# Altium PCB STM32_QFP100_DEVELOPMENT_BOARD.PcbDoc (continued)
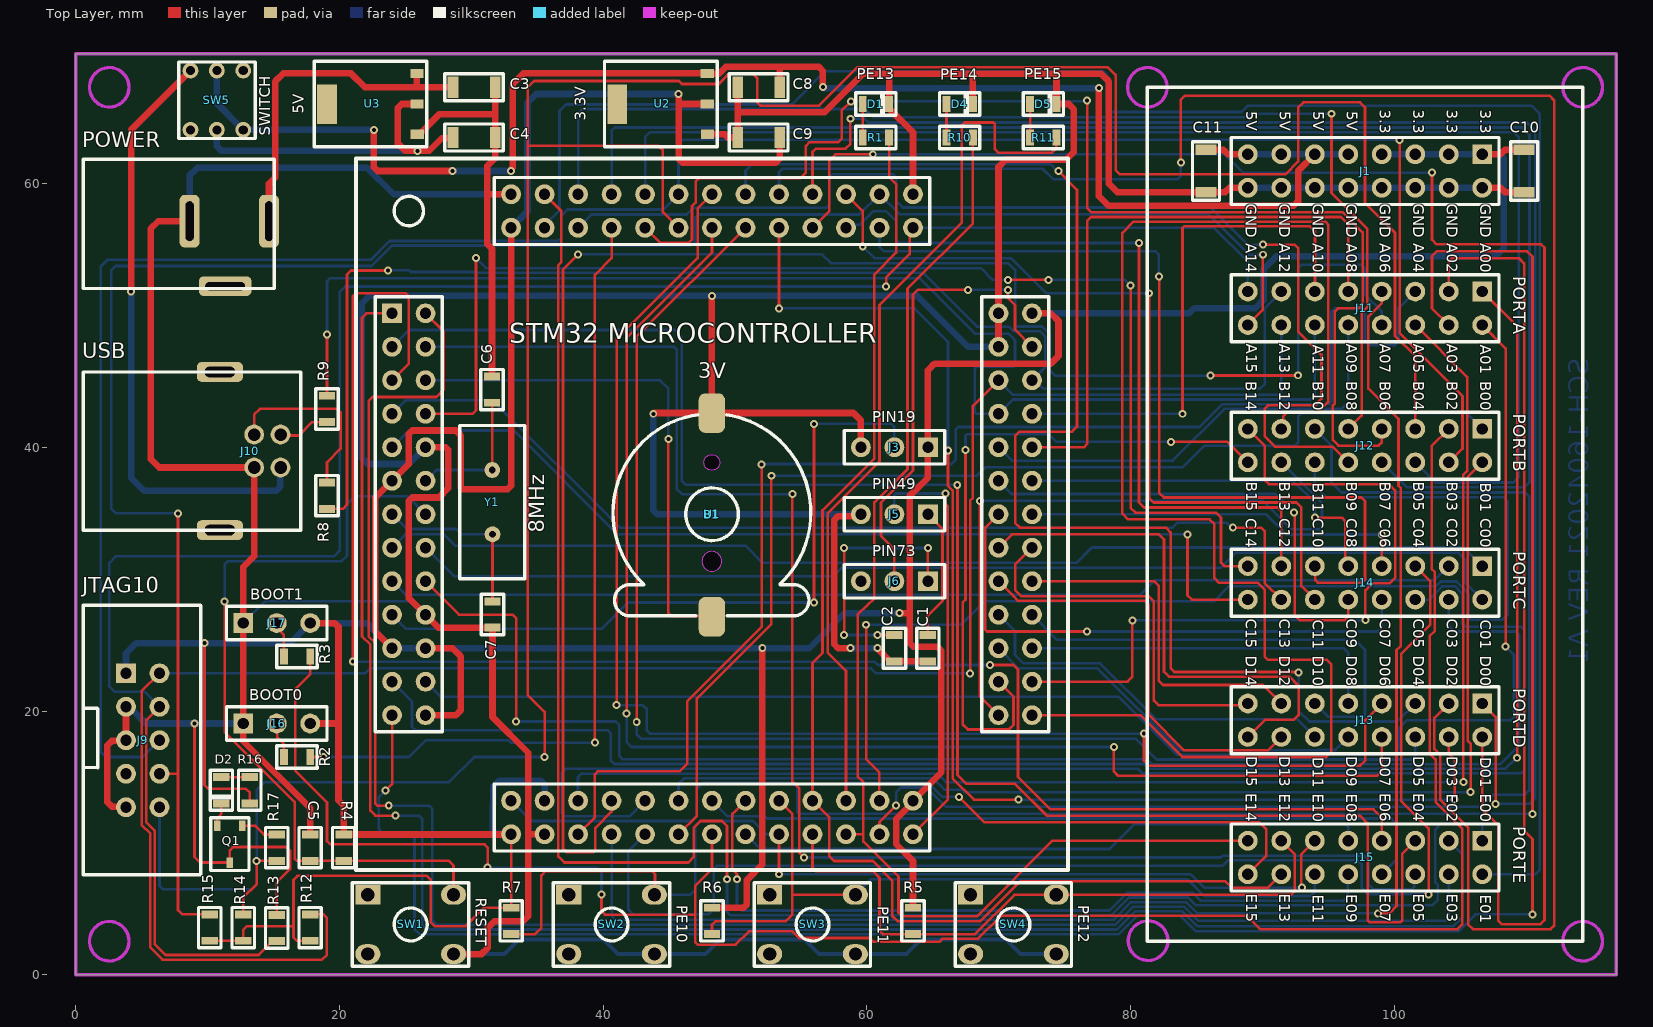
[diagram p0: Top Layer view]
## Nets (pads, with @x,y where several pads share a name; then routed paths per layer and width w, separated by ;. In a path a pad name is that pad's centre, name@x,y a point inside that pad or via, vN(x,y) a via of type N, cw(c..) or ccw(c..) an arc to the next point about the centre after c; other vN are vias at no path point) (continued)
PA4: J11.5 U1.29 | length 103
  Top Layer w0.2: U1.29 39.37,11.925 39.37,15.182 39.624,15.436 45.82,15.436 46.386,16.002 46.386,20.745 52.019,26.378 v1(52.019,38.71)
  Bottom Layer w0.2: v1(52.019,38.71) 52.045,38.735 66.421,38.735 66.758,39.072 66.758,41.358 66.945,41.545 85.233,41.545 86.964,43.276 95.092,43.276 95.25,43.434 95.25,50.292 95.504,50.546 97.536,50.546 97.79,50.292 97.79,48.006 98.044,47.752 100.076,47.752 100.33,48.006 100.33,50.546 J11.5
PA5: J11.6 U1.30 | length 105.8
  Top Layer w0.2: J11.6 105.531,45.345 105.531,38.209 105.238,37.915 105.238,14.637 v1(105.27,14.605)
  Bottom Layer w0.2: U1.30 38.087,13.208 38.087,14.986 38.346,15.245 65.369,15.245 66.009,14.605 v1(105.27,14.605)
PA6: J11.7 U1.31 | length 115.2
  Top Layer w0.2: v1(98.781,4.648) 99.631,4.648 100.178,5.195 100.178,24.613 100.508,24.943 100.508,36.906 100.33,37.084 100.33,42.164 98.044,44.45 98.044,49.94 99.06,50.956 J11.7
  Bottom Layer w0.2: U1.31 40.64,4.445 40.919,4.166 78.702,4.166 80.043,5.507 84.215,5.507 85.074,4.648 v1(98.781,4.648)
PA7: J11.8 U1.32 | length 133.2
  Top Layer w0.2: v1(38.1,54.635) 36.951,53.487 36.951,9.581 37.227,9.306 39.264,9.306 39.402,9.443 39.402,11.132 40.64,12.37 U1.32 ; v1(86.062,45.435) 86.078,45.451 92.694,45.451 v1(92.71,45.466)
  Bottom Layer w0.2: v1(38.1,54.635) 56.617,54.635 57.277,53.975 70.726,53.975 71.247,53.454 71.247,49.282 71.364,49.165 73.266,49.165 73.276,49.165 73.883,48.557 73.883,45.834 74.282,45.435 v1(86.062,45.435) ; v1(92.71,45.466) 92.71,53.594 92.964,53.848 97.536,53.848 97.79,53.594 97.79,51.562 99.06,50.292 J11.8
PA8: J11.9 U1.67 | length 46.5
  Top Layer w0.2: U1.67 76.454,40.005 76.708,40.259 76.708,57.175 77.001,57.468 95.948,57.468 96.52,56.896 J11.9
PA9: J11.10 U1.68 | length 34.6
  Bottom Layer w0.2: U1.68 71.006,38.989 83.185,38.989 87.122,42.926 96.012,42.926 96.52,43.434 J11.10
PA10: J11.11 U1.69 | length 40.3
  Top Layer w0.2: v1(83.947,42.545) 83.947,56.651 84.064,56.768 93.6,56.768 93.997,56.371 93.997,51.833 J11.11
  Bottom Layer w0.2: U1.69 v1(83.947,42.545)
PA11: J11.12 R9.2 U1.70 | length 103
  Top Layer w0.2: R9.2@19.05,43.942 v1(19.05,48.565)
  Bottom Layer w0.2: v1(19.05,48.565) 19.05,52.591 19.291,52.832 63.995,52.832 68.202,48.625 70.742,48.625 71.234,48.133 71.234,46.218 71.117,46.101 68.303,46.101 68.186,45.984 68.186,42.662 68.303,42.545 U1.70 71.071,43.626 93.664,43.626 93.98,43.942 J11.12
PA12: J11.13 R8.2 U1.71 | length 103.6
  Top Layer w0.2: R8.2 20.257,35.338 20.574,35.655 20.574,53.111 20.879,53.416 v1(23.673,53.416)
  Bottom Layer w0.2: v1(23.673,53.416) 23.698,53.442 25.266,53.442 25.406,53.301 30.405,53.301 30.462,53.244 64.256,53.244 68.352,49.149 70.792,49.149 71.126,48.815 73.131,48.815 73.533,48.412 73.533,46.088 U1.71 72.745,45.085 73.38,44.45 89.84,44.45 90.17,44.78 90.17,50.546 J11.13
PB0: J12.1 U1.35 | length 87.6
  Top Layer w0.2: U1.35 47.104,12.039 47.104,20.955 52.756,26.607 v1(52.756,37.846)
  Bottom Layer w0.2: v1(52.756,37.846) 68.351,37.846 68.986,38.481 83.947,38.481 85.598,40.132 92.481,40.132 92.71,40.361 92.71,42.342 92.944,42.576 105.506,42.576 J12.1
PB1: J12.2 U1.36 | length 87.5
  Top Layer w0.2: v1(105.791,13.843) 105.82,13.872 105.82,17.48 105.588,17.712 105.588,37.77 J12.2
  Bottom Layer w0.2: U1.36 45.72,14.491 46.124,14.895 65.019,14.895 65.876,14.037 67.208,14.037 67.402,13.843 v1(105.791,13.843)
PB2: J12.3 R3.2 U1.37 | length 156.9
  Top Layer w0.2: R3.2 17.78,22.784 16.637,21.641 16.637,15.481 19.05,13.068 19.05,10.135 19.304,9.881 31,9.881 31.242,9.639 v1(31.242,8.115) ; v1(39.878,6.083) 39.878,4.813 40.132,4.559 46.99,4.559 ; U1.37 48.26,8.026 46.99,6.756 46.99,4.559 ; J12.3 102.845,40.107 102.845,30.766 103.08,30.531 103.08,26.067 102.692,25.679 102.692,16.782 103.14,16.334 103.14,13.09 105.156,11.074 105.156,3.797 104.813,3.454 89.832,3.454 88.829,4.457 70.167,4.457 68.44,2.73 65.735,2.73 65.494,2.489 60.49,2.489 60.198,2.781 54.864,2.781 54.356,3.289 51.054,3.289 50.038,2.273 47.168,2.273 46.99,2.451 46.99,4.559
  Bottom Layer w0.2: v1(31.242,8.115) 39.586,8.115 39.878,7.823 v1(39.878,6.083)
PB5: J12.6 U1.91 | length 105.3
  Bottom Layer w0.2: U1.91 43.18,63.529 43.558,63.907 109.067,63.907 109.446,63.528 109.446,37.742 109.042,37.338 103.124,37.338 J12.6
PB6: J12.7 U1.92 | length 95.8
  Top Layer w0.2: U1.92 44.336,55.499 46.482,55.499 46.736,55.753 46.736,58.293 47.015,58.572 47.015,60.147 47.295,60.427 54.966,60.427 55.372,60.833 55.372,62.865 55.651,63.144 57.836,63.144 58.09,63.398 58.09,65.532 v1(58.801,66.243) ; v1(76.708,66.294) 76.708,58.141 77.03,57.818 96.106,57.818 97.612,56.312 97.612,50.876 97.282,50.546 95.733,50.546 95.504,50.317 95.504,43.338 95.346,43.18 95.346,40.544 95.758,40.132 98.806,40.132 99.06,40.386 J12.7
  Bottom Layer w0.2: v1(58.801,66.243) 76.657,66.243 v1(76.708,66.294)
PB7: J12.8 U1.93 | length 113.3
  Bottom Layer w0.2: U1.93 40.64,64.021 40.881,64.262 109.703,64.262 110.261,63.703 110.261,37.338 109.897,36.973 100.949,36.973 J12.8
PB8: J12.9 U1.95 | length 89.4
  Top Layer w0.2: v1(95.25,65.303) 95.25,59.296 97.968,56.578 97.968,50.628 97.536,50.196 97.536,42.418 J12.9
  Bottom Layer w0.2: U1.95 38.1,65.329 38.43,65.659 59.842,65.659 60.477,65.024 88.77,65.024 89.049,65.303 v1(95.25,65.303)
PB9: J12.10 U1.96 | length 86.9
  Top Layer w0.2: v1(90.043,55.372) 92.456,55.372 92.71,55.118 92.71,48.793 94.488,47.015 94.488,43.688 93.98,43.18 90.424,43.18 90.17,42.926 90.17,40.843 90.961,40.052 95.33,40.052 J12.10
  Bottom Layer w0.2: U1.96 39.103,57.658 46.33,57.658 46.838,58.166 56.896,58.166 57.15,58.42 57.15,60.465 57.404,60.719 61.976,60.719 62.23,60.465 62.23,58.699 62.738,58.191 86.055,58.191 88.875,55.372 v1(90.043,55.372)
PB10: J12.11 U1.47 | length 95.3
  Top Layer w0.2: U1.47 60.96,11.574 v1(62.221,12.836)
  Bottom Layer w0.2: v1(62.221,12.836) 62.221,13.834 62.582,14.195 64.532,14.195 66.001,12.726 106.579,12.726 107.505,13.652 109.918,13.652 110.236,13.97 110.236,36.271 109.931,36.576 96.012,36.576 95.25,37.338 95.25,40.132 J12.11
PB11: J12.12 U1.48 | length 91.7
  Top Layer w0.2: v1(59.944,26.543) 59.944,16.354 60.931,15.367 60.931,13.224 U1.48
  Bottom Layer w0.2: v1(59.944,26.543) 67.154,26.543 68.932,28.321 86.327,28.321 87.47,29.464 103.188,29.464 103.543,29.82 104.737,29.82 105.664,28.892 105.664,27.041 105.781,26.924 108.204,26.924 108.616,27.336 108.616,35.897 108.287,36.226 94.825,36.226 93.98,37.071 J12.12
PB12: J12.13 U1.51 | length 112.5
  Top Layer w0.2: U1.51 80.759,19.685 83.934,16.51 94.844,16.51 95.237,16.903 95.237,23.533 94.894,23.876 90.411,23.876 90.17,24.117 90.17,29.21 89.662,29.718 86.716,29.718 86.36,30.074 86.36,34.188 86.004,34.544 79.807,34.544 79.375,34.976 79.375,56.274 80.219,57.118 94.774,57.118 94.996,56.896 94.996,43.434 94.234,42.672 91.919,42.672 91.582,42.335 91.582,41.544 J12.13
PB13: J12.14 U1.52 | length 49.9
  Top Layer w0.2: v1(68.58,35.941) 68.58,21.095 U1.52
  Bottom Layer w0.2: v1(68.58,35.941) 90.043,35.941 92.202,33.782 94.336,33.782 94.53,33.976 94.53,35.772 J12.14
PB14: J12.15 U1.53 | length 55.9
  Top Layer w0.2: U1.53 79.781,22.225 80.124,22.568 v1@80.124,26.865 ; J12.15 90.17,40.132 90.17,37.541 90.5,37.211 99.593,37.211 100.076,36.728 100.076,30.099 99.67,29.693 98.349,29.693 97.815,29.159 v1(97.815,26.899)
  Bottom Layer w0.2: v1(80.137,26.865) 80.166,26.895 v1@97.815,26.895
PB15: J12.16 U1.54 | length 52.2
  Top Layer w0.2: v1(67.486,39.8) 67.486,28.443 67.268,28.225 67.268,18.996 67.666,18.598 70.764,18.598 71.12,18.954 71.12,21.095 U1.54 ; v1(83.083,40.411) 87.351,40.411 J12.16
  Bottom Layer w0.2: v1(67.486,39.8) 67.486,40.888 67.603,41.005 73.79,41.005 74.384,40.411 v1(83.083,40.411)
PC0: J14.1 U1.15 | length 85.1
  Bottom Layer w0.2: U1.15 25.006,33.401 27.915,33.401 28.778,32.537 50.8,32.537 52.095,31.242 75.895,31.242 77.06,32.407 105.261,32.407 J14.1
PC1: J14.2 U1.16 | length 84.3
  Bottom Layer w0.2: U1.16 28.689,30.226 57.429,30.226 58.064,30.861 86.817,30.861 87.96,32.004 104.877,32.004 105.41,31.471 105.41,29.718 J14.2
PC2: J14.3 U1.17 | length 81.5
  Bottom Layer w0.2: U1.17 25.006,28.829 80.772,28.829 81.864,29.921 103.073,29.921 J14.3
PC3: J14.4 U1.18 | length 111.2
  Top Layer w0.2: U1.18 29.07,27.305 33.134,27.305 33.401,27.038 v1(33.401,19.202)
  Bottom Layer w0.2: v1(33.401,19.202) 40.945,19.202 41.224,18.923 41.224,16.586 41.478,16.332 81.265,16.332 81.622,15.975 108.05,15.975 109.474,17.399 109.474,25.781 109.22,26.035 104.521,26.035 104.14,26.416 J14.4
PC4: J14.5 U1.33 | length 99.8
  Top Layer w0.2: J14.5 102.73,29.858 102.73,26.53 100.533,24.333 100.533,13.179 102.616,11.096 v1(102.616,6.096)
  Bottom Layer w0.2: U1.33 41.91,9.385 41.91,4.928 42.266,4.572 48.006,4.572 48.38,4.946 48.38,8.008 48.631,8.258 51.665,8.258 51.668,8.255 86.995,8.255 87.407,8.667 97.238,8.667 97.536,8.369 97.536,6.575 97.576,6.535 97.634,6.477 98.015,6.096 v1(102.616,6.096)
PC5: J14.6 U1.34 | length 105.3
  Bottom Layer w0.2: U1.34 41.99,12.005 37.144,12.005 36.865,12.284 36.865,15.3 37.186,15.621 80.576,15.621 80.922,15.275 109.636,15.275 109.855,15.494 109.855,26.162 109.614,26.403 105.397,26.403 105.156,26.645 105.156,28.905 104.597,29.464 103.683,29.464 102.667,28.448 J14.6
PC6: J14.7 U1.63 | length 29.6
  Top Layer w0.2: J14.7 v1(99.06,33.388)
  Bottom Layer w0.2: U1.63 90.284,34.925 91.821,33.388 v1(99.06,33.388)
PC7: J14.8 U1.64 | length 41.6
  Top Layer w0.2: U1.64 68.99,33.925 68.99,26.152 69.107,26.035 v1(76.708,26.035)
  Bottom Layer w0.2: v1(76.708,26.035) 98.781,26.035 99.06,26.314 J14.8
PC8: J14.9 U1.65 | length 29.2
  Top Layer w0.2: v1(93.98,34.671) 96.037,34.671 96.282,34.426 96.282,31.226 J14.9
  Bottom Layer w0.2: U1.65 92.329,37.465 93.98,35.814 v1(93.98,34.671)
PC9: J14.10 U1.66 | length 36.8
  Top Layer w0.2: v1(92.414,35.052) 92.456,35.01 92.456,27.28 92.862,26.873 96.215,26.873 96.52,27.178 J14.10
  Bottom Layer w0.2: U1.66 70.99,36.465 91.001,36.465 v1(92.414,35.052)
PC10: J14.11 U1.78 | length 67.9
  Top Layer w0.2: v1(82.169,52.959) 82.169,36.551 82.525,36.195 97.511,36.195 97.79,35.916 97.79,29.972 97.536,29.718 94.234,29.718 94.014,29.938 94.014,30.954 J14.11
  Bottom Layer w0.2: U1.78 60.96,55.194 61.29,54.864 81.902,54.864 82.156,54.61 v1@82.156,52.832
PC11: J14.12 U1.79 | length 62.5
  Top Layer w0.2: U1.79 59.69,57.925 v1(59.69,55.245) ; v1(81.407,51.689) 81.407,36.17 81.763,35.814 92.583,35.814 92.964,35.433 92.964,29.464 J14.12
  Bottom Layer w0.2: v1(59.69,55.245) 60.579,54.356 70.933,54.356 73.6,51.689 v1(81.407,51.689)
PC12: J14.13 U1.80 | length 59.5
  Top Layer w0.2: v1(80.645,55.499) 80.645,35.814 81.026,35.433 91.157,35.433 91.44,35.15 J14.13
  Bottom Layer w0.2: U1.80 58.653,56.888 59.47,56.888 60.494,57.912 61.468,57.912 62.23,57.15 62.23,55.753 62.484,55.499 v1(80.645,55.499)
PC13: J14.14 U1.7 | length 76.8
  Top Layer w0.2: v1(87.757,33.909) 89.916,33.909 90.17,33.655 90.17,29.718 J14.14
  Bottom Layer w0.2: U1.7 25.006,43.561 31.61,43.561 41.262,33.909 83.185,33.909 83.566,34.29 87.289,34.29 87.67,33.909 v1(87.757,33.909)
PC14: J14.15 U1.8 | length 95.6
  Top Layer w0.2: U1.8 30.099,42.545 30.353,42.799 v1(30.353,54.356) ; v1(70.697,52.705) v1(73.774,52.705) ; v1(80.01,52.273) 80.01,35.408 80.366,35.052 86.487,35.052 86.868,34.671 86.868,31.254 87.133,30.988 J14.15
  Bottom Layer w0.2: v1(30.353,54.356) 31.115,53.594 68.656,53.594 69.545,52.705 v1(70.697,52.705) ; v1(73.774,52.705) 79.578,52.705 v1(80.01,52.273)
PC15: J14.16 U1.9 | length 73.5
  Top Layer w0.2: v1(84.328,33.401) 84.328,28.778 84.658,28.448 J14.16
  Bottom Layer w0.2: U1.9 25.26,41.275 33.223,41.275 41.097,33.401 v1(84.328,33.401)
PD0: J13.1 U1.81 | length 122.4
  Top Layer w0.2: U1.81 55.88,62.408 56.134,62.662 58.395,62.662 58.75,63.017 v1(58.75,64.922) ; J13.1 107.696,19.558 v1(107.696,12.954)
  Bottom Layer w0.2: v1(58.75,64.922) 59.83,64.922 60.109,64.643 110.065,64.643 110.7,64.008 110.7,13.392 110.261,12.954 v1(107.696,12.954)
PD1: J13.2 U1.82 | length 135.2
  Top Layer w0.2: U1.82 57.15,57.925 57.15,61.773 57.607,62.23 v1(60.452,62.23) ; v1(102.87,60.833) 102.87,55.753 103.226,55.397 111.15,55.397 111.404,55.143 111.404,4.14 111.1,3.835 108.153,3.835 107.899,4.089 107.899,11.303 106.68,12.522 J13.2
  Bottom Layer w0.2: v1(60.452,62.23) 87.122,62.23 88.519,60.833 v1(102.87,60.833)
PD2: J13.3 U1.83 | length 154.7
  Top Layer w0.2: v1(83.82,61.595) 83.82,66.37 84.125,66.675 111.785,66.675 112.141,66.319 112.141,3.734 111.862,3.454 105.969,3.454 105.613,3.81 105.613,11.151 103.505,13.259 103.505,16.653 103.048,17.11 103.048,19.482 J13.3
  Bottom Layer w0.2: U1.83 53.34,60.877 53.594,61.131 73.337,61.131 74.143,60.325 83.566,60.325 83.82,60.579 v1(83.82,61.595)
PD3: J13.4 U1.84 | length 96.9
  Top Layer w0.2: v1(53.34,50.546) U1.84 ; v1(66.154,39.751) 66.154,37.081 66.511,36.725 66.511,14.884 68.118,13.276 v1(71.501,13.276) ; J13.4 104.14,16.758 104.588,16.31 v1(104.588,13.276)
  Bottom Layer w0.2: v1(53.34,50.546) 63.614,50.546 66.154,48.006 v1(66.154,39.751) ; v1(71.501,13.276) v1(104.588,13.276)
PD4: J13.5 U1.85 | length 102.4
  Top Layer w0.2: v1(74.524,60.954) 75.946,59.531 75.946,41.564 75.565,41.183 71.577,41.183 71.247,40.853 71.247,34.265 71.603,33.909 82.684,33.909 83.039,33.553 83.039,23.247 83.33,22.956 92.728,22.956 v1(92.752,22.932)
  Bottom Layer w0.2: U1.85 50.8,60.973 51.308,61.481 73.914,61.481 74.422,60.973 74.504,60.973 v1(74.524,60.954) ; v1(92.752,22.932) 92.752,20.011 93.561,19.202 100.228,19.202 J13.5
PD5: J13.6 U1.86 | length 103.3
  Top Layer w0.2: v1(42.545,19.177) 42.545,48.4 U1.86
  Bottom Layer w0.2: v1(42.545,19.177) 42.545,18.237 42.875,17.907 80.391,17.907 81.973,16.325 101.39,16.325 101.6,16.535 J13.6
PD6: J13.7 U1.87 | length 107.6
  Top Layer w0.2: v1(41.021,20.447) 41.021,48.204 47.172,54.355 47.172,58.107 U1.87 ; v1(81.026,18.288) 81.026,16.231 81.407,15.85 97.409,15.85 97.815,16.256 97.815,19.33 J13.7
  Bottom Layer w0.2: v1(41.021,20.447) 43.002,20.447 43.307,20.142 43.307,18.517 43.536,18.288 v1(81.026,18.288)
PD7: J13.8 U1.88 | length 103.8
  Top Layer w0.2: v1(41.783,19.812) 41.783,48.311 48.26,54.788 U1.88 ; v1(78.74,17.272) 78.74,15.418 79.07,15.088 98.679,15.088 99.06,15.469 J13.8
  Bottom Layer w0.2: v1(41.783,19.812) 41.783,17.653 42.164,17.272 v1(78.74,17.272)
PD8: J13.9 U1.55 | length 28
  Bottom Layer w0.2: U1.55 96.139,24.765 96.52,24.384 J13.9
PD9: J13.10 U1.56 | length 30.2
  Bottom Layer w0.2: U1.56 71.514,23.241 77.495,23.241 83.711,17.025 94.19,17.025 94.209,17.043 95.529,17.043 J13.10
PD10: J13.11 U1.57 | length 35.6
  Bottom Layer w0.2: U1.57 74.435,25.4 97.028,25.4 97.79,24.638 97.79,19.691 97.673,19.574 94.98,19.574 J13.11
PD11: J13.12 U1.58 | length 28.9
  Bottom Layer w0.2: U1.58 71.234,26.061 71.234,24.257 71.869,23.622 77.699,23.622 81.936,19.384 92.63,19.384 J13.12
PD12: J13.13 U1.59 | length 27
  Top Layer w0.2: U1.59 81.8,29.845 82.156,29.489 82.156,22.289 82.474,21.971 90.043,21.971 J13.13
PD13: J13.14 U1.60 | length 32.1
  Top Layer w0.2: U1.60 71.126,28.709 71.483,28.352 81.109,28.352 81.394,28.067 81.394,19.685 84.061,17.018 90.424,17.018 J13.14
PD14: J13.15 U1.61 | length 29.5
  Top Layer w0.2: U1.61 71.247,31.102 71.247,29.185 71.729,28.702 81.394,28.702 81.775,28.321 81.775,20.791 82.118,20.447 88.773,20.447 J13.15
PD15: J13.16 U1.62 | length 40.6
  Top Layer w0.2: U1.62 71.006,33.401 82.156,33.401 82.537,33.02 82.537,22.987 82.918,22.606 92.062,22.606 92.752,21.916 92.752,19.702 92.38,19.329 90.195,19.329 J13.16
PE0: J15.1 U1.97 | length 138.5
  Top Layer w0.2: U1.97 36.771,57.984 36.83,57.925 36.83,54.051 36.601,53.823 36.601,8.968 37.061,8.509 46.457,8.509 46.863,8.915 46.863,11.125 47.396,11.659 48.997,11.659 49.39,11.265 v1(49.39,7.239)
  Bottom Layer w0.2: v1(49.39,7.239) 49.39,4.763 49.637,4.516 78.557,4.516 79.898,5.857 84.36,5.857 84.948,5.269 102.921,5.269 103.314,5.663 103.314,6.794 103.124,6.985 103.124,11.024 103.556,11.455 106.563,11.455 106.68,11.338 J15.1
PE1: J15.2 U1.98 | length 150
  Bottom Layer w0.2: U1.98 35.56,56.848 36.69,57.978 36.69,65.519 37.18,66.009 54.325,66.009 56.845,68.529 77.927,68.529 78.203,68.254 78.203,65.663 78.433,65.433 88.42,65.433 88.9,65.913 110.415,65.913 111.05,65.278 111.05,7.939 110.731,7.62 J15.2
PE2: J15.3 U1.1 | length 138.9
  Top Layer w0.2: U1.1 22.047,50.165 21.704,49.822 21.704,25.667 22.339,25.032 22.339,12.459 22.733,12.065 v1(24.244,12.065)
  Bottom Layer w0.2: v1(24.244,12.065) 26.035,12.065 26.276,11.824 26.276,3.772 26.622,3.426 78.973,3.426 80.354,4.807 83.925,4.807 85.05,3.683 104.492,3.683 105.156,4.347 105.156,9.144 J15.3
PE3: J15.4 U1.2 | length 137.8
  Top Layer w0.2: v1(23.736,12.827) 22.86,12.827 22.72,12.967 22.72,25.146 22.212,25.654 22.212,43.523 22.504,43.815 27.356,43.815 27.889,44.348 27.889,48.805 U1.2
  Bottom Layer w0.2: v1(23.736,12.827) 26.797,12.827 27.038,12.586 27.038,4.128 27.39,3.776 78.828,3.776 80.209,5.157 84.07,5.157 85.129,4.098 103.93,4.098 104.14,4.308 J15.4
PE4: J15.5 U1.3 | length 125.8
  Top Layer w0.2: v1(66.858,37.156) 66.876,37.137 66.876,15.153 67.551,14.478 71.234,14.478 73.647,12.065 97.396,12.065 97.993,11.467 97.993,4.105 98.11,3.988 100.483,3.988 100.6,4.105 100.6,9.16 J15.5
  Bottom Layer w0.2: U1.3 25.26,48.895 45.453,48.895 45.961,48.387 45.961,37.478 46.283,37.156 v1(66.858,37.156)
PE5: J15.6 U1.4 | length 116.1
  Top Layer w0.2: v1(54.356,36.449) 54.356,14.656 54.864,14.148 54.864,9.271 v1(55.245,8.89)
  Bottom Layer w0.2: U1.4 45.39,47.625 45.58,47.435 45.58,36.855 45.986,36.449 v1(54.356,36.449) ; v1(55.245,8.89) 86.868,8.89 86.995,9.017 97.761,9.017 98.06,8.718 98.06,6.842 98.425,6.477 101.317,6.477 101.527,6.687 101.527,7.547 J15.6
PE6: J15.7 U1.5 | length 128.5
  Top Layer w0.2: v1(21.006,23.749) 21.006,51.435 21.26,51.689 25.006,51.689 25.26,51.435 25.26,46.355 U1.5 ; v1(69.342,23.495) 71.12,23.495 71.47,23.145 71.47,15.004 73.927,12.548 98.437,12.548 99.06,11.925 J15.7
  Bottom Layer w0.2: v1(21.006,23.749) 60.579,23.749 60.833,23.495 v1(69.342,23.495)
PE7: J15.8 U1.38 | length 56.9
  Bottom Layer w0.2: U1.38 49.45,12.005 52.294,12.005 52.454,11.845 99.759,11.845 100.174,11.43 100.174,8.734 J15.8
PE8: J15.9 U1.39 | length 48.1
  Bottom Layer w0.2: U1.39 51.924,9.531 78.416,9.531 80.315,11.43 96.266,11.43 96.52,11.176 J15.9
PE9: J15.10 U1.40 | length 57.6
  Top Layer w0.2: v1(50.152,7.239) 50.152,7.639 49.8,7.991 49.8,12.195 U1.40
  Bottom Layer w0.2: v1(50.152,7.239) 50.152,5.207 50.493,4.866 78.399,4.866 79.756,6.223 84.702,6.223 85.305,5.619 96.141,5.619 96.491,5.969 96.491,7.591 J15.10
PE10: J15.11 R7.2 SW2.2 U1.41 | length 79
  Top Layer w0.2: R7.2 34.843,3.08 35.306,3.543 35.306,7.531 35.636,7.861 43.688,7.861 43.929,7.62 43.929,6.099 SW2.2 ; v1(53.34,7.62) U1.41 ; v1(93.006,6.604) 92.964,6.646 92.964,9.144 J15.11
  Bottom Layer w0.2: SW2.2 46.573,6.06 46.99,6.477 46.99,11.303 47.342,11.655 51.359,11.655 52.359,10.655 U1.41 ; v1(53.34,7.62) 84.569,7.62 85.585,6.604 v1(93.006,6.604)
PE11: J15.12 R6.2 SW3.2 U1.42 | length 58.3
  Top Layer w0.2: R6.2 48.26,3.797 48.514,4.051 53.848,4.051 54.356,4.559 54.356,6.096 ; U1.42 54.356,12.179 54.356,6.096 ; SW3.2 54.392,6.06 54.356,6.096
  Bottom Layer w0.2: SW3.2 60.309,7.239 84.315,7.239 85.585,5.969 93.65,5.969 93.98,6.299 J15.12
PE12: J15.13 R5.2 SW4.2 U1.43 | length 49.1
  Top Layer w0.2: U1.43 55.88,8.115 56.134,7.861 60.452,7.861 60.96,7.353 60.96,3.334 61.214,3.08 R5.2 68.218,3.08 71.198,6.06 SW4.2 92.166,6.06 92.456,6.35 92.456,9.144 J15.13
PE13: J15.14 R1.2 U1.44 | length 97.7
  Top Layer w0.2: R1.2 61.69,60.497 62.23,59.957 62.23,54.762 60.55,53.082 60.55,39.133 56.642,35.225 56.642,24.4 55.88,23.638 U1.44 57.15,11.925 57.15,8.979 57.506,8.623 60.452,8.623 61.925,7.15 61.925,4.47 62.332,4.064 68.605,4.064 71.628,7.087 87.198,7.087 87.681,6.604 90.424,6.604 J15.14
PE14: J15.15 R10.2 U1.45 | length 94
  Top Layer w0.2: U1.45 59.734,10.655 ; R10.2 68.04,56.991 63.09,52.041 63.09,38.338 60.566,35.814 60.566,28.549 60.014,27.997 60.001,27.997 59.309,27.305 59.309,15.03 59.734,14.605 59.734,10.655 ; J15.15 74.092,10.16 68.351,4.42 62.687,4.42 62.402,4.705 62.402,7.435 59.734,10.103 59.734,10.655
PE15: J15.16 R11.2 U1.46 | length 104.9
  Top Layer w0.2: U1.46 58.42,23.042 57.023,24.439 57.023,34.984 60.96,38.921 60.96,50.8 67.208,57.048 67.208,64.427 67.424,64.643 69.593,64.643 69.71,64.526 69.71,62.611 69.964,62.357 74.028,62.357 74.368,62.697 74.368,63.478 R11.2 ; v1(66.98,13.487) 68.91,11.557 89.776,11.557 90.284,11.049 90.284,9.004 J15.16
  Bottom Layer w0.2: U1.46 58.42,14.428 58.537,14.545 64.69,14.545 65.748,13.487 v1(66.98,13.487)
PIN19: J3.2 U1.19 | length 54.6
  Top Layer w0.2: v1(55.994,28.226) v1(55.994,41.783)
  Bottom Layer w0.2: U1.19 25.057,26.238 39.878,26.238 41.866,28.226 v1(55.994,28.226) ; v1(55.994,41.783) 61.836,41.783 62.09,41.529 J3.2
PIN49: J5.2 U1.49 | length 32.4
  Top Layer w0.2: U1.49 66.15,13.305 66.15,35.519 65.961,35.708 v1(65.961,36.497)
  Bottom Layer w0.2: J5.2 62.09,36.38 62.207,36.497 v1(65.961,36.497)
PIN73: J6.2 U1.73 | length 35.6
  Top Layer w0.2: J6.2 62.09,32.268 61.074,33.284 61.074,35.814 63.5,38.24 63.5,51.587 63.856,51.943 v1(67.678,51.943) ; v1(70.697,51.943) 70.697,51.337 71.234,50.8 71.234,48.921 U1.73
  Bottom Layer w0.2: v1(67.678,51.943) v1(70.697,51.943)
VCC: C9.2 C10.2 J1.1 J1.3 J1.5 J1.7 J3.1 J9.1 J16.3 J17.3 R4.1 R5.1 R6.1 R7.1 R12.1 R14.1 R15.1 R16.2 U1.11 U1.21 U1.22 U1.28 U1.50 U1.75 U1.100 U1.101 U1.102 U2.2 | length 401.4
  Top Layer w0.2: v1(9.766,25.146) 9.766,14.39 10.059,14.097 12.902,14.097 13.195,13.804 R16.2 ; R15.1 R14.1 12.7,3.39 12.993,3.683 16.51,3.683 ; R12.1 16.764,2.572 16.51,2.826 16.51,3.683 ; U1.102 R7.1 30.975,5.08 29.578,3.683 27.217,3.683 26.924,3.976 26.924,7.2 26.631,7.493 16.803,7.493 16.51,7.2 16.51,3.683
  Top Layer w0.5: J16.3 19.926,19.05 ; J17.3 19.633,26.67 19.926,26.377 19.926,19.05 ; U1.21 22.72,26.035 22.72,36.195 U1.11 25.26,38.735 25.26,41.021 25.514,41.275 28.829,41.275 29.21,40.894 29.21,36.947 29.327,36.83 32.766,36.83 33.02,37.084 U1.100 ; U1.101 28.829,19.685 29.21,20.066 29.21,24.13 28.575,24.765 U1.22 ; U1.102 33.001,10.636 R4.1 20.32,12.835 19.926,13.229 19.926,19.05 ; v1(45.72,66.802) 45.72,65.887 ; U2.2 45.873,66.04 45.72,65.887 ; R6.1 50.648,5.08 50.902,5.334 50.902,7.188 52.07,8.357 v1(52.07,24.765) ; C9.2 53.4,61.888 53.107,61.595 46.013,61.595 45.72,61.888 45.72,65.887 ; v1(62.49,27.419) 63.246,27.419 ; R5.1 63.5,8.623 62.23,9.893 62.23,11.811 63.5,13.081 U1.50 65.65,15.345 65.65,24.586 65.357,24.879 63.539,24.879 63.246,25.172 63.246,27.419 ; U1.75 73.952,50.165 74.536,49.581 74.536,46.926 73.965,46.355 65.138,46.355 64.63,45.847 J3.1 64.63,37.693 63.246,36.309 63.246,27.419 ; J1.1 108.077,62.23 108.407,62.56 C10.2
  Bottom Layer w0.5: J9.1 3.81,24.384 4.572,25.146 16.256,25.146 J17.3 22.085,26.67 U1.21 U1.22 v1(52.07,24.765) 55.626,24.765 58.28,27.419 v1(62.49,27.419) ; U1.102 33.003,10.672 31.916,10.672 31.623,10.965 31.623,12.903 31.648,12.929 31.648,14.249 32.118,14.719 35.267,14.719 35.56,14.426 U1.28 ; U1.100 34.265,57.899 34.265,66.142 34.925,66.802 v1(45.72,66.802) ; U1.75 84.442,50.165 84.823,50.546 89.463,50.546 90.09,51.173 90.09,53.514 91.059,54.483 107.696,54.483 108.318,55.105 108.318,61.937 108.025,62.23 J1.1 J1.3 J1.5 J1.7
pads on no net: J6.3 J9.7 J10.S1 J10.S2 POWER.3 SW1.1 SW1.3 SW2.1 SW2.3 SW3.1 SW3.3 SW4.1 SW4.3 SW5.3 SW5.6 U2.4 U3.4

## Keep-outs
Keep-Out Layer:
  circle w0.254: c2.54,2.54 r1.5
  circle w0.254: c81.28,67.31 r1.5
  circle w0.254: c81.336,2.58 r1.5
  circle w0.254: c114.3,2.54 r1.5
  circle w0.254: c114.3,67.31 r1.5
  circle w0.254: c2.54,67.31 r1.5
  lines w0.254: 0,0 0,69.85 116.84,69.85 116.84,0 0,0

## Other copper
Bottom Layer:
  text "SCH-16042021 REV A1" at 115.228,46.769 h2.5 r90

## Silkscreen, mask and mechanical layers (free items; w line width, h text height)
Top Overlay:
  lines w0.25: 81.28,2.54 81.28,67.31
  lines w0.254: 81.28,2.54 114.3,2.54 114.3,67.31 81.28,67.31
  text "3.3" at 98.618,65.591 h1.4 r270
  text "3.3" at 101.158,65.591 h1.4 r270
  text "3.3" at 103.698,65.591 h1.4 r270
  text "3.3" at 106.238,65.591 h1.4 r270
  text "5V" at 88.46,65.508 h1.4 r270
  text "5V" at 91,65.508 h1.4 r270
  text "5V" at 93.54,65.508 h1.4 r270
  text "5V" at 96.08,65.508 h1.4 r270
  text "GND" at 88.452,58.48 h1.4 r270
  text "GND" at 90.992,58.48 h1.4 r270
  text "GND" at 93.532,58.48 h1.4 r270
  text "GND" at 96.072,58.48 h1.4 r270
  text "GND" at 98.612,58.48 h1.4 r270
  text "GND" at 101.152,58.48 h1.4 r270
  text "GND" at 103.692,58.48 h1.4 r270
  text "GND" at 106.232,58.48 h1.4 r270
  text "A14" at 88.449,55.491 h1.4 r270
  text "A04" at 101.158,55.491 h1.4 r270
  text "A12" at 90.989,55.473 h1.4 r270
  text "A10" at 93.538,55.474 h1.4 r270
  text "A08" at 96.078,55.477 h1.4 r270
  text "A06" at 98.618,55.483 h1.4 r270
  text "A02" at 103.698,55.473 h1.4 r270
  text "A00" at 106.238,55.474 h1.4 r270
  text "A15" at 88.458,47.866 h1.4 r270
  text "A05" at 101.158,47.866 h1.4 r270
  text "A13" at 90.998,47.858 h1.4 r270
  text "A09" at 96.078,47.856 h1.4 r270
  text "A07" at 98.618,47.857 h1.4 r270
  text "A03" at 103.698,47.858 h1.4 r270
  text "A11" at 93.529,47.783 h1.4 r270
  text "A01" at 106.238,47.783 h1.4 r270
  text "B14" at 88.449,45.031 h1.4 r270
  text "B06" at 98.618,45.023 h1.4 r270
  text "B04" at 101.158,45.031 h1.4 r270
  text "B12" at 90.989,45.013 h1.4 r270
  text "B10" at 93.538,45.014 h1.4 r270
  text "B08" at 96.078,45.017 h1.4 r270
  text "B02" at 103.698,45.013 h1.4 r270
  text "B00" at 106.238,45.014 h1.4 r270
  text "B15" at 88.458,37.406 h1.4 r270
  text "B05" at 101.158,37.406 h1.4 r270
  text "B13" at 90.998,37.398 h1.4 r270
  text "B09" at 96.078,37.396 h1.4 r270
  text "B07" at 98.618,37.397 h1.4 r270
  text "B03" at 103.698,37.398 h1.4 r270
  text "B11" at 93.529,37.323 h1.4 r270
  text "B01" at 106.238,37.323 h1.4 r270
  text "C14" at 88.451,34.633 h1.4 r270
  text "C04" at 101.152,34.633 h1.4 r270
  text "C12" at 90.991,34.616 h1.4 r270
  text "C10" at 93.532,34.616 h1.4 r270
  text "C08" at 96.072,34.62 h1.4 r270
  text "C06" at 98.612,34.625 h1.4 r270
  text "C02" at 103.692,34.616 h1.4 r270
  text "C00" at 106.232,34.616 h1.4 r270
  text "C15" at 88.452,27.009 h1.4 r270
  text "C13" at 90.992,27 h1.4 r270
  text "C09" at 96.072,26.998 h1.4 r270
  text "C07" at 98.612,27 h1.4 r270
  text "C05" at 101.152,27.009 h1.4 r270
  text "C03" at 103.692,27 h1.4 r270
  text "C11" at 93.531,26.925 h1.4 r270
  text "C01" at 106.232,26.925 h1.4 r270
  text "D14" at 88.449,24.203 h1.4 r270
  text "D06" at 98.618,24.195 h1.4 r270
  text "D04" at 101.158,24.203 h1.4 r270
  text "D12" at 90.989,24.185 h1.4 r270
  text "D10" at 93.538,24.186 h1.4 r270
  text "D08" at 96.078,24.189 h1.4 r270
  text "D02" at 103.698,24.185 h1.4 r270
  text "D00" at 106.238,24.186 h1.4 r270
  text "D15" at 88.458,16.578 h1.4 r270
  text "D05" at 101.158,16.578 h1.4 r270
  text "D13" at 90.998,16.57 h1.4 r270
  text "D09" at 96.078,16.568 h1.4 r270
  text "D07" at 98.618,16.569 h1.4 r270
  text "D03" at 103.698,16.57 h1.4 r270
  text "D11" at 93.529,16.495 h1.4 r270
  text "D01" at 106.238,16.495 h1.4 r270
  text "E14" at 88.449,13.754 h1.4 r270
  text "E04" at 101.158,13.754 h1.4 r270
  text "E12" at 90.989,13.737 h1.4 r270
  text "E10" at 93.538,13.738 h1.4 r270
  text "E08" at 96.078,13.741 h1.4 r270
  text "E06" at 98.618,13.747 h1.4 r270
  text "E02" at 103.698,13.737 h1.4 r270
  text "E00" at 106.238,13.738 h1.4 r270
  text "E15" at 88.458,6.13 h1.4 r270
  text "E13" at 90.998,6.121 h1.4 r270
  text "E09" at 96.078,6.12 h1.4 r270
  text "E07" at 98.618,6.121 h1.4 r270
  text "E05" at 101.158,6.13 h1.4 r270
  text "E03" at 103.698,6.121 h1.4 r270
  text "E11" at 93.529,6.046 h1.4 r270
  text "E01" at 106.238,6.046 h1.4 r270